# Allegro board BeagleV-FIRE_REV-A_230911.brd (continued)
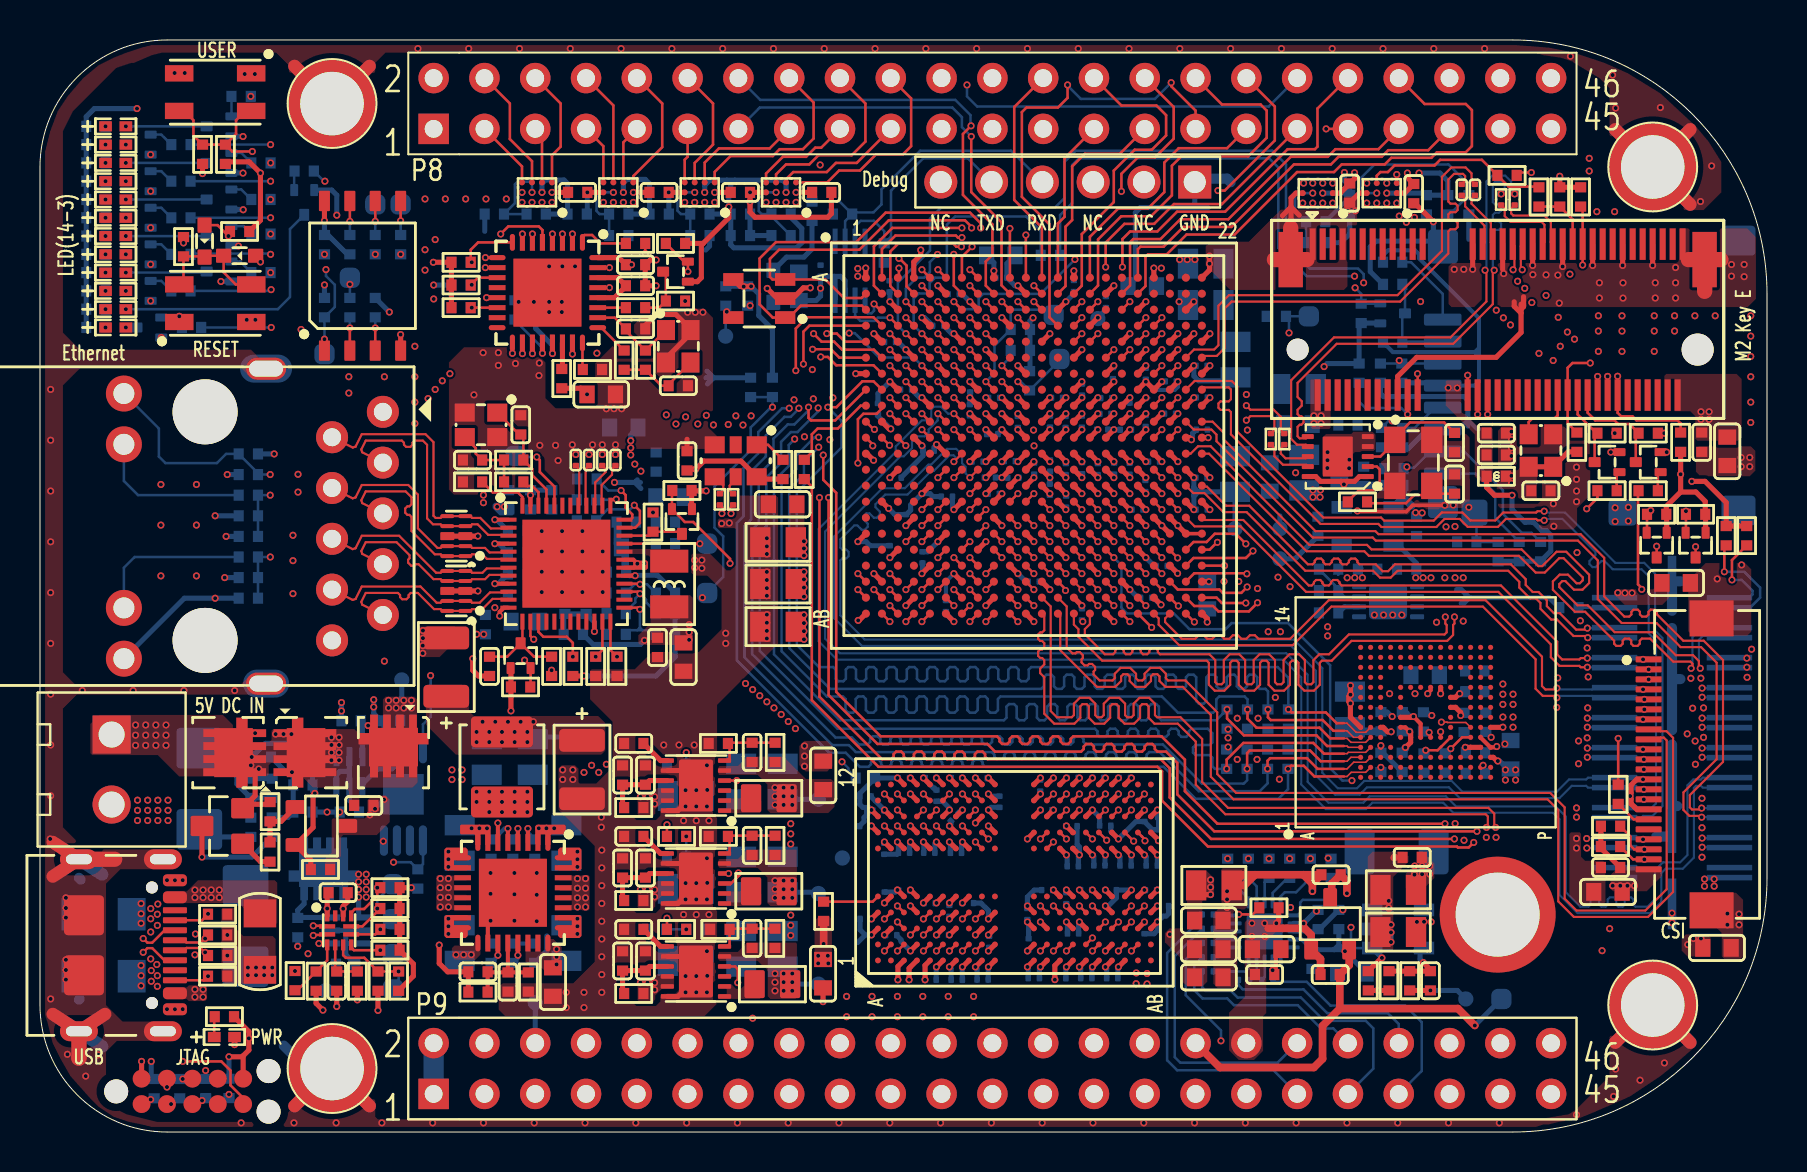
[diagram p0: board, top side]
## Routing (per net, layer and track width the routed paths; a pad name or vN(x,y) marks a point on that pad's centre or on a via; arc(x,y) is an arc through that point) (continued)
  BOTTOM w0.127: v1(32.32,10.13) R100.2
N8667551: length 1.6
  TOP w0.254: U20.7 31.03,9.28 C217.1
N8671682: length 3.5
  TOP w0.254: R144.2 29.13,11.65 C202.1 C201.1 30.48,12.93 U18.9
N8671690: length 3.5
  TOP w0.127: U18.6 34.37,13.93 34.48,14.04 34.48,14.78 34.52,14.82 ; 34.52,14.82 34.44,14.82 R146.1 ; 34.52,14.82 C27.2 R145.2
N8671822: length 4.8
  TOP w0.127: U18.4 v1(34.43,12.93)
  L10_SIG3 w0.102: v1(32.32,14.78) 32.32,13.68 33.07,12.93 v1(34.43,12.93)
  BOTTOM w0.127: v1(32.32,14.78) R101.2
N8671906: length 1.6
  TOP w0.254: C218.1 31.03,13.93 U18.7
N8673050: length 3.5
  TOP w0.254: R147.2 29.13,16.3 C224.1 C223.1 30.48,17.58 U19.9
N8673058: length 3.5
  TOP w0.127: U19.6 34.37,18.58 34.48,18.68 34.48,19.43 34.52,19.47 ; R148.2 C220.2 34.52,19.47 ; R149.1 34.44,19.47 34.52,19.47
N8673274: length 1.6
  TOP w0.254: C225.1 31.03,18.58 U19.7
N8756795: length 6
  TOP w0.127: SW1.2 7.18,42.6 D5.2 8.19,43.79 D15.2 8.3,43.82 D16.2 9.18,42.99 9.78,42.39 SW1.4
N8756879: length 15.7
  BOTTOM w0.127: U21.2 40.26,45.55 D18.2 ; D18.2 40.7,45.99 41.68,45.99 42.08,46.39 42.08,47.14 44.01,49.07 48.56,49.07 J6.4 ; D18.2 39.99,46.53 R255.2
N8756917: length 12.1
  BOTTOM w0.127: J6.5 46.4,48.69 44.17,48.69 42.56,47.08 42.56,44.78 D19.2 42.22,45.05 41.7,45.57 41.04,45.57 40.76,45.28 U21.3
N8759792: length 1
  TOP w0.127: Q6.1 78.84,32.86 R94.2
N8759844: length 1
  TOP w0.127: R95.2 80.9,32.86 Q7.1
N9130688: length 2.6
  BOTTOM w0.127: R107.2 64.92,27.18 R153.1 65.23,26.77 U17.7
N9171751: length 1.2
  BOTTOM w0.254: U17.6 65.23,26.27 C270.1
N9238698: length 10.5
  TOP w0.127: Q19.2 80.36,29.98 R154.2 80.36,30.93 80.52,31.08 v1(80.55,31.08) ; J9.58 v1(77.89,37.78)
  L10_SIG3 w0.102: v1(80.55,31.08) 81.15,31.69 81.15,33.1 77.89,36.36 v1(77.89,37.78)
N9311526: length 2
  TOP w0.127: U22.5 34.63,40.73 v1(34.34,41.02)
  BOTTOM w0.127: R63.2 34.29,41.07 v1(34.34,41.02) 34.29,40.97 TP15.1
N9370303: length 1
  TOP w0.127: R15.2 8.71,5.74 LED1.1
N9516908: length 4.2
  BOTTOM w0.127: R156.2 R274.1 23.75,46.45 23.75,47.4 23.88,47.52 24.49,47.52 24.6,47.41 v1(24.6,46.99)
N9532681: length 6
  BOTTOM w0.127: R165.2 72.77,30.7 72.77,31.94 71.78,32.93 J2.8
N9532886: length 4
  BOTTOM w0.127: J2.1 70.14,41.91 68.56,43.5 R167.2
N9600567: length 1.8
  BOTTOM w0.127: J8.4 R171.1
N9662314: length 2.8
  TOP w0.127: U28.48 24.12,31.76 23.9,31.98 22.65,31.98 R175.1
N9662960: length 3.9
  TOP w0.127: v1(24.84,33.76) 24.99,33.6 24.99,33.01 25.72,32.28 U28.44
  BOTTOM w0.127: TP9.1 23.85,33.76 v1(24.84,33.76)
N9693763: length 4.1
  TOP w0.127: U28.33 v1(32.99,29.42)
  BOTTOM w0.127: v1(32.99,29.42) 33,29.43 TP16.1
N9878694: length 8
  BOTTOM w0.127: J4.13 4.2,28.22 4.73,28.75 R232.2
N9878723: length 7.9
  BOTTOM w0.127: J4.12 4.2,32.56 4.9,31.85 R233.2
N10097642: length 2.7
  TOP w0.127: Q28.3 31.3,42.89 R212.2 30.96,41.22 R214.1
N10116085: length 3.4
  BOTTOM w0.127: R275.1 R244.2 27.98,45.91 27.83,46.06 27.83,46.78 28.04,46.99 v1(28.67,46.99)
N10117897: length 3.4
  BOTTOM w0.127: R278.1 R245.2 32.05,45.91 31.88,46.08 31.88,46.76 32.11,46.99 v1(32.74,46.99)
N10118713: length 3.5
  BOTTOM w0.127: v1(63.64,46.95) 62.89,46.95 62.76,46.83 62.76,46.07 R246.1 R279.1
N10323308: length 3.8
  BOTTOM w0.127: v1(36.81,46.99) 36.22,46.99 35.94,46.71 35.94,46.05 36.09,45.91 R247.1 36.58,45.8 R276.1
N10325048: length 9.6
  BOTTOM w0.127: v1(66.84,46.95) 66.1,46.95 66,47.05 66,47.66 66.73,48.39 70.43,48.39 71.45,47.37 R277.1 70.48,45.88 R248.1
N10444145: length 3.6
  TOP w0.254: v1(69.17,8.47) 69.53,8.12 C311.2 R251.2 R252.1
  BOTTOM w0.254: U36.5 69.01,9.2 69.01,8.64 v1(69.17,8.47)
N10515706: length 57
  TOP w0.076: v1(70.08,20.5) 70.36,20.5 70.38,20.48 71.3,20.48 U3.M6
  TOP w0.127: R254.2 38.6,32.27 38.6,21.6 41.93,18.26 55.88,18.26 56.11,18.03 56.11,16.57 58.4,14.27 70.86,14.27 70.9,14.23 71.44,14.23 v1(71.69,14.48)
  L10_SIG3 w0.102: v1(71.69,14.48) 71.69,14.66 71.48,14.88 71.48,16.21 70.1,17.58 70.1,19.41 70.41,19.71 70.41,20.38 70.29,20.5 v1(70.08,20.5)
N10544834: length 3.8
  BOTTOM w0.254: D17.2 37.33,43.75 38.2,43.75 38.61,44.16 R255.1
N10555114: length 97.5
  TOP w0.127: v1(74.57,47.98) 73.99,47.98 R263.2
  L3_SIG1 w0.102: P9.9 31.3,3.36 55.93,3.36 56.42,3.84 56.42,5.36 57.23,6.17 74.49,6.17 v1(78.49,10.17)
  L10_SIG3 w0.102: v1(74.57,47.98) 76.2,46.36 76.2,45.87 78.72,43.35 78.72,38.7 79.39,38.03 79.39,37.61 83.12,33.88 83.12,28.89 82.31,28.08 82.31,26.64 80.95,25.29 80.95,11.77 79.62,10.43 78.76,10.43 v1(78.49,10.17)
N10796072: length 5.4
  TOP w0.127: C321.1 70.21,35.48 68.5,35.48 67.75,34.73 X3.1 67.75,34.5 67.03,33.78 U38.3
N10796077: length 5.1
  TOP w0.127: R264.1 66.35,31.5 66.35,31.49 66.39,31.45 68.31,31.45 68.71,31.85 69.39,31.85 69.6,32.06 X3.3 69.99,31.92 C322.1
N10796544: length 6
  TOP w0.254: 65.35,32.54 65.74,32.54 65.98,32.78 U38.1 ; 65.35,32.54 65.05,32.54 ; 65.35,32.54 v1(65.2,32.38) 65.05,32.54 ; 65.05,32.54 64.03,32.54 63.79,32.78 U38.10
  BOTTOM w0.381: FB4.2 66.22,32.33 C323.1 65.2,32.31 C324.1
N10797068: length 3.4
  TOP w0.127: R264.2 65.4,31.54 65.95,32.09 66.69,32.09 66.99,32.4 66.99,33.14 66.85,33.28 U38.2
N11055587: length 1
  BOTTOM w0.127: R266.1 61.24,7.74 U11.3
N11055591: length 1.1
  BOTTOM w0.127: R267.1 60.84,7.96 U11.4
N11055595: length 2.2
  BOTTOM w0.127: U11.5 60.44,8.19 60.28,8.03 58.68,8.03 R268.1
N11055599: length 1.3
  BOTTOM w0.127: R269.1 58.93,8.74 59.42,9.23 U11.6
N11055603: length 1.2
  BOTTOM w0.127: R270.1 58.85,9.63 U11.7
N11055607: length 1.2
  BOTTOM w0.127: U11.8 58.81,10.03 R271.1
N11055611: length 1.3
  BOTTOM w0.127: R272.1 59.12,10.43 U11.9
N11055643: length 1.2
  TOP w0.127: R273.1 60.65,10.88 v1(59.94,10.88)
N11068846: length 2.5
  TOP w0.254: Q1.4 v1(16.41,20.33)
  BOTTOM w0.254: 16.12,20.49 16.28,20.33 v1(16.41,20.33) ; 16.12,20.49 R141.1 ; 16.12,20.49 Q18.3
N11068850: length 3.2
  BOTTOM w0.254: Q2.3 12.91,10.73 R71.1 12.89,11.09 13.21,11.41 Q17.4
N11068926: length 4.3
  BOTTOM w0.254: Q18.6 14.82,17.86 15,18.04 15.45,18.04 15.47,18.02 ; 15.47,18.02 Q18.2 ; 15.47,18.02 Q18.5 15.47,16.59 15.95,16.11 R140.1
N11068938: length 4.1
  BOTTOM w0.254: Q2.5 15.29,10.08 ; 15.29,10.08 15.29,9.42 ; 15.29,10.08 Q2.2 ; 15.29,9.42 15.29,9.43 Q2.6 ; 15.29,9.42 15.29,8.88 R1.1
N11074894: length 4.6
  BOTTOM w0.254: R282.2 12.39,15.73 R283.1 R226.2 12.66,17.93 v1(12.6,18) 12.31,18 C325.2
N11075006: length 5.5
  TOP w0.254: v1(8.1,13.75) Q30.3
  BOTTOM w0.254: v1(8.1,13.75) 10.6,13.75 R282.1
N11075022: length 6.4
  TOP w0.254: R155.1 13.54,13.59 U39.2 13.66,15.23 13.66,16.85 v1(13.74,16.93)
  BOTTOM w0.254: R280.2 R226.1 13.63,17.05 v1(13.74,16.93)
N11075026: length 2.6
  TOP w0.254: U39.1 12.06,15.53 R281.2 R227.1
N11075086: length 1.7
  TOP w0.254: R227.2 11.03,13.52 Q30.1
N11143135: length 6.3
  BOTTOM w0.254: R284.2 9.85,17.4 9.85,19.69 10.1,19.95 v1(10.76,19.95) ; R284.2 C328.2 ; R284.2 R285.1

## Copper pours and planes (outline as drawn; the poured copper is in the pictures)
AGND on TOP: 61.32,9.52 62.05,10.26 62.05,10.59 62,10.64 60.4,10.64 60.25,10.49 60.25,6.76 59.46,5.97 59.46,4.09 59.94,3.61 60.71,3.61 61.16,4.06 61.16,5.79 61.32,5.94
AGND on BOTTOM: 63.22,8.41 62.99,8.64 62.99,9.29 62.95,9.33 62.28,9.33 62.05,9.57 62.05,9.98 61.9,9.98 61.47,10.41 61.39,10.34 60.76,10.34 60.76,9.55 60.68,9.47 61.01,9.47 61.14,9.34 61.48,9.34 61.93,8.9 61.93,8.08 62.13,7.87 63.63,7.87 64.02,7.48 65.13,7.48 65.23,7.59 65.26,7.59 65.28,7.61 65.28,7.82 64.69,8.41
AGND on L11_GND5: 68.58,1.14 59.44,1.14 59.13,1.45 59.13,2.54 58.83,2.84 56.78,2.84 56.03,3.58 56.03,5.53 55.67,5.9 55.67,9.45 57.2,10.99 57.2,11.48 57.41,11.68 58.91,11.68 59.02,11.56 59.02,11.17 59.5,10.69 62.01,10.69 62.15,10.56 62.15,9.77 62.45,9.47 65.11,9.47 65.56,9.01 65.56,6.87 65.82,6.61 68.63,6.61 69.35,5.88 69.35,1.92
AVDD3V3 on BOTTOM: 23.57,27.13 22.43,27.13 22,26.7 22,25.73 22.12,25.6 23.09,25.6 23.42,25.27 23.65,25.5 23.65,27.05
AVDD3V3 on L5_SIG2: 22.61,30.91 23.6,30.91 23.83,30.68 23.83,25.73 23.57,25.48 22.68,25.48 22.45,25.7 22.45,26.39 23.22,27.15 23.22,29.59 22.5,30.3 22.5,30.81
AVDD10 on BOTTOM: 22.78,31.83 25.83,31.83 25.88,31.88 25.88,32.74 25.68,32.94 22.25,32.94 21.95,32.64 21.95,31.32 22,31.27 22.23,31.27
AVDD10 on L3_SIG1: 22.2,32.51 21.59,32.51 21.41,32.33 21.41,29.59 21.92,29.08 21.92,27.25 22.12,27.05 22.83,27.05 23.04,27.25 23.04,29.67 22.43,30.28 22.43,32.28
GND on TOP (solid shape): 21.39,14.12 21.39,13.59 20.73,13.59 20.7,13.56 20.7,13.36 20.73,13.34 21.39,13.34 21.39,13.11 21.36,13.08 20.29,13.08 20.22,13.16 20.22,14.12 20.32,14.22 21.29,14.22
GND on TOP (solid shape): 21.39,10.82 21.39,10.59 20.73,10.59 20.7,10.57 20.7,10.36 20.73,10.34 21.39,10.34 21.39,9.8 21.29,9.7 20.32,9.7 20.22,9.8 20.22,10.77 20.29,10.85 21.36,10.85
GND on TOP (solid shape): 27.08,14.12 27.08,13.16 27,13.08 25.93,13.08 25.91,13.11 25.91,13.34 26.57,13.34 26.59,13.36 26.59,13.56 26.57,13.59 25.91,13.59 25.91,14.12 26.01,14.22 26.97,14.22
GND on TOP (solid shape): 27.08,10.77 27.08,9.8 26.97,9.7 26.01,9.7 25.91,9.8 25.91,10.34 26.57,10.34 26.59,10.36 26.59,10.57 26.57,10.59 25.91,10.59 25.91,10.82 25.93,10.85 27,10.85
GND on TOP: 65.57,34.91 64.32,34.91 64.13,34.72 64.13,32.9 64.23,32.8 65.58,32.8 65.63,32.85 65.63,33.89 65.75,34 66.63,34 66.78,34.15 66.78,34.88 66.64,35.02 65.68,35.02
GND on TOP: 65.2,42.11 65.38,42.29 65.38,44.91 65.81,45.34 65.81,45.34 65.86,45.39 65.86,46.69 65.76,46.79 65.23,46.79 65.18,46.74 65.18,46.25 65.05,46.13 62.05,46.13 60.45,44.53 58.52,44.53 58.29,44.3 58.29,43.33 59.51,42.11
GND on TOP: 81.81,43.46 81.99,43.64 81.99,45.14 82.04,45.19 85.37,45.19 85.8,44.75 85.8,41.66 85.39,41.25 70.59,41.25 70.44,41.4 70.44,43.28 70.61,43.46
GND on TOP: 66.4,9.14 66.4,13.77 66.65,14.02 68.2,14.02 68.43,13.79 68.43,13.51 67.67,12.75 67.67,9.14 67.54,9.02 66.52,9.02
GND on TOP: 36.8,31.83 34.98,31.83 34.8,31.65 34.8,30.76 34.73,30.69 33.97,30.69 33.9,30.62 33.9,30.26 33.96,30.2 34.73,30.2 34.8,30.13 34.8,28.35 34.53,28.09 34.34,28.09 33.5,28.92 32.64,28.92 32.51,28.8 32.51,28.02 32.72,27.82 33.37,27.82 34.08,27.11 34.08,25.14 32.94,24 30.61,24 29.74,23.14 27.58,23.14 27.51,23.06 27.51,21.64 28.63,20.52 28.63,18.24 27.81,17.42 27,17.42 26.92,17.5 26.92,18.16 26.75,18.34 26.09,18.34 25.93,18.19 25.93,16.1 27.74,14.3 27.74,8.51 26.67,7.44 23.14,7.44 22.94,7.24 22.94,6.12 23.27,5.79 33.22,5.79 33.86,6.43 33.86,21.36 36.91,24.41 36.91,31.72
GND on TOP: 78.16,13.56 77.27,13.56 77.06,13.77 77.06,14.91 76.99,14.99 76.56,14.99 76.48,14.91 76.48,11.79 76.94,11.33 78.11,11.33 78.28,11.51 78.28,13.44
GND on TOP: 82.96,34.29 85.55,34.29 85.78,34.06 85.78,33.07 85.5,32.79 83.03,32.79 82.8,33.02 82.8,34.09 82.88,34.16 82.88,34.21
GND on TOP: 38.23,19.56 39.37,19.56 39.62,19.3 39.62,18.29 39.37,18.03 38.23,18.03 37.97,18.29 37.97,19.3
GND on TOP: 20.71,25.28 18.98,25.28 18.92,25.21 18.92,24.2 18.92,24.2 18.92,23.93 19.1,23.75 19.98,23.75 20.85,24.62 20.85,25.14
GND on TOP: outline of 107 points within 65.95,30.89 71.5,35.24
GND on TOP: 30.51,41.17 33.2,41.17 33.66,40.72 33.66,35 34.01,34.65 34.01,34.24 33.86,34.09 33.76,34.09 33.68,34.16 29.08,34.16 29.08,32.38 28.58,31.88 20.7,31.88 20.45,32.13 20.45,38.48 21.21,39.24 24.51,39.24 25.27,38.48 25.27,36.7 25.78,36.2 27.51,36.2 27.76,36.45 27.76,38.43
GND on TOP: 83.29,28.45 85.27,28.45 85.57,28.14 85.57,25.02 85.37,24.82 82.65,24.82 82.42,25.04 82.42,27.58
GND on TOP: 9.07,11.15 9.07,7.61 9.26,7.42 11.79,7.42 11.79,9.65 11.63,9.8 10.16,9.8 9.8,10.15 9.8,11.17 9.7,11.27 9.19,11.27
GND on TOP: 77.04,35.28 77.52,34.8 77.52,31.85 76.86,31.19 76.86,30.33 76.66,30.12 75.08,30.12 74.96,30.25 74.96,31.19 73.04,31.19 72.91,31.32 72.91,35.07 73.12,35.28
GND on TOP: 83.59,11.96 84.81,11.96 85.17,11.61 85.17,8.79 85.04,8.66 84.23,8.66 84.1,8.79 84.1,9.96 83.74,10.31 83.74,11.81
GND on TOP: 16.37,16.59 16.37,15.82 16.24,15.68 14.65,15.68 14.56,15.59 14.59,15.57 14.59,13.96 14.26,13.64 14.26,12.92 14.32,12.86 14.62,12.86 14.76,13 14.76,13.51 15.05,13.79 15.05,14.74 15.16,14.85 16.84,14.85 17.49,15.5 17.49,16.63 17.29,16.83 16.61,16.83
GND on TOP: 59.66,7.21 58.88,7.21 58.67,7.42 58.67,10.91 59.08,11.32 59.08,13.13 59.13,13.18 60.22,13.18 60.4,13 60.4,11.3 59.87,10.77 59.87,7.42
GND on BOTTOM: 17.34,17.43 16.37,16.46 16.37,15.84 16.52,15.7 16.7,15.7 16.86,15.86 17.59,15.86 18.76,17.04 18.37,17.43
GND on BOTTOM: 85.78,31.09 85.78,33.76 85.55,33.99 84.38,33.99 84.1,33.71 84.1,31.14 84.51,30.73 85.42,30.73
GND on BOTTOM: 66.09,9.86 66.06,9.88 66.06,10.46 66.09,10.49 67.17,10.49 67.28,10.6 67.28,11.67 67.38,11.76 67.64,11.76 67.74,11.66 67.74,9.33 67.69,9.29 67.46,9.29 67.38,9.37 67.38,9.72 67.24,9.86
GND on BOTTOM: 28.83,24.77 28.83,28.27 28.45,28.65 28.45,29.72 28.09,30.07 27.56,30.07 27.38,30.25 27.38,32.92 27.15,33.15 26.44,33.15 26.14,32.84 26.14,31.78 25.93,31.57 24.21,31.57 23.98,31.34 23.98,30.84 23.98,24.74 24.21,24.51 28.58,24.51
GND on BOTTOM: 83.29,13.64 83.08,13.44 80.14,13.44 79.96,13.61 79.96,28.65 80.11,28.8 83.11,28.8 83.29,28.63
GND on BOTTOM: 69.55,45.14 71.83,45.14 72.06,44.91 72.06,42.65 71.86,42.44 70.51,42.44 69.44,43.51 69.44,45.03
GND on BOTTOM: 41.22,16.69 38,19.91 19.91,19.91 19.64,19.64 19.64,13.74 19.47,13.57 19.47,11.79 19.18,11.5 19.18,5.97 19.56,5.59 40.51,5.59 41.22,6.3
GND on BOTTOM: 2.94,17.34 5.83,17.34 7.04,16.14 8.3,16.14 8.71,15.72 8.71,14.54 8.11,14.54 7.71,14.15 7.27,14.15 6.58,14.85 2.98,14.85 2.48,15.35 2.48,16.88
GND on BOTTOM: 21.08,45.34 32.64,45.34 33.66,44.32 33.66,36.58 32.82,35.74 32.82,29.31 33.3,28.83 33.3,28.14 33.2,28.04 31.52,28.04 31.47,28.09 31.47,28.14 31.5,28.17 31.5,34.32 31.32,34.49 30.91,34.49 30.63,34.77 30.63,35.74 30.43,35.94 29.13,35.94 28.96,35.76 28.96,34.8 28.88,34.72 28.12,34.72 27.99,34.85 27.99,35.79 27.84,35.94 20.95,35.94 20.45,36.45 20.45,44.7
GND on BOTTOM: 3.92,11.67 3.92,7.2 4.06,7.06 5.01,7.06 6.08,6 14.65,6 15.01,6.36 15.01,8.48 14.96,8.53 14.09,8.53 13.19,9.44 13.19,9.94 13.13,9.99 12.07,9.99 11.48,10.58 7.9,10.58 6.78,11.7 3.95,11.7
GND on BOTTOM: 39.9,43.81 39.98,43.74 41.05,43.74 41.12,43.81 41.12,45.19 41.16,45.23 41.56,45.23 41.7,45.09 41.7,44.2 41.71,44.19 41.71,43.88 41.8,43.78 42.58,43.78 42.67,43.69 42.67,42.49 42.57,42.39 40.89,42.39 40.16,43.13 38.86,43.13 38.35,42.62 37.47,42.62 37.39,42.7 37.39,43.34 37.46,43.41 38.38,43.41 38.99,44.02 38.99,45.09 39.38,45.48 39.38,46.17 39.39,46.18 39.88,46.18 39.9,46.16
GND on BOTTOM: 60.78,38.91 60.6,39.09 58.62,39.09 58.39,39.32 58.39,45.87 58.04,46.23 57.15,46.23 56.87,46.51 56.87,48.51 57.18,48.82 61.16,48.82 61.9,48.08 61.9,38.68 62.89,37.69 62.89,34.77 63.2,34.47 64.59,34.47 65.68,35.56 66.22,35.56 66.4,35.38 66.4,34.65 66.56,34.48 67.75,34.48 68.71,35.43 73.56,35.43 73.89,35.1 73.89,33.68 73.58,33.38 72.22,33.38 72.15,33.3 72.15,33.16 72.49,32.82 72.49,31.88 72.44,31.83 71.07,31.83 70.92,31.67 70.92,30.2 71.35,29.77 71.35,24.89 71.04,24.59 63.93,24.59 63.6,24.92 63.6,27.36 63.73,27.48 64.26,27.48 64.41,27.33 64.41,25.55 64.49,25.48 66.37,25.48 66.47,25.58 66.47,28.52 65.89,29.11 65.89,29.62 65.68,29.82 64.47,29.82 64.16,29.51 63.65,29.51 63.6,29.57 63.6,30.05 63.68,30.12 64.01,30.12 64.16,30.28 64.44,30.28 64.77,30.61 65.66,30.61 65.86,30.81 65.86,31.65 65.76,31.75 64.72,31.75 64.49,31.98 64.49,32.49 64.19,32.79 59.06,32.79 58.7,32.44 58.27,32.44 58.19,32.51 58.19,36.98 58.27,37.06 60.58,37.06 60.78,37.26
GND on BOTTOM: 85.67,45.34 84.2,45.34 84.07,45.21 84.07,42.47 84.3,42.24 85.57,42.24 85.8,42.47 85.8,45.21
GND on BOTTOM: 72.03,17.78 72.03,19.28 72.24,19.48 72.75,19.48 72.9,19.63 72.9,20.55 72.72,20.73 66.65,20.73 66.07,21.31 64.97,21.31 64.74,21.54 64.74,22.5 64.94,22.69 67.04,22.69 67.64,23.29 68.66,23.29 68.91,23.04 68.91,22.43 69.75,21.59 71.83,21.59 72.01,21.77 72.01,23.22 72.11,23.32 72.67,23.32 74.26,21.73 74.26,19.32 74.14,19.2 73.13,19.2 72.69,18.77 72.69,17.78 72.62,17.7 72.11,17.7
GND on L2_GND1: 75.69,53.47 18.92,53.47 18.41,52.96 18.41,50.29 16.76,48.64 12.57,48.64 11.3,49.91 11.3,52.83 10.92,53.21 5.84,53.21 2.29,49.66 2.29,40.26 2.67,39.88 12.24,39.88 13.57,38.55 13.57,37.07 12.27,35.77 6.4,35.77 4.83,37.34 3.81,37.34 3.18,36.7 3.18,23.74 3.8,23.11 5.37,23.11 6.85,24.59 12.36,24.59 13.84,23.11 13.84,21.21 12.57,19.94 8,19.94 6.86,21.08 2.29,21.08 2.03,20.83 2.03,15.88 2.54,15.37 7.11,15.37 7.62,14.86 7.62,13.46 6.94,12.78 5.05,12.78 4.83,12.56 4.83,6.57 5.49,5.91 7.41,5.91 7.62,5.69 7.62,4.56 7.25,4.19 5.08,4.19 4.57,3.68 4.57,1.27 4.83,1.02 9.14,1.02 9.65,1.52 9.65,3.68 11.68,5.71 18.03,5.71 18.41,5.33 18.41,1.65 18.92,1.14 75.95,1.14 76.83,2.03 76.83,6.98 79.02,9.17 84.35,9.17 85.73,10.54 85.73,44.7 84.71,45.72 79.76,45.72 78.99,46.48 78.61,46.48 78.11,46.99 78.11,48.51 77.47,49.15 77.47,51.69
GND on L4_GND2, L6_GND3, L9_GND4: 75.69,53.47 18.92,53.47 18.41,52.96 18.41,50.29 16.76,48.64 12.57,48.64 11.3,49.91 11.3,52.83 10.92,53.21 5.84,53.21 2.29,49.66 2.29,40.26 2.67,39.88 12.24,39.88 13.57,38.55 13.57,37.07 12.27,35.77 6.4,35.77 4.83,37.34 3.81,37.34 3.18,36.7 3.18,23.74 3.8,23.11 5.37,23.11 6.85,24.59 12.36,24.59 13.84,23.11 13.84,21.21 12.57,19.94 8,19.94 6.86,21.08 2.29,21.08 2.03,20.83 2.03,15.88 2.54,15.37 7.11,15.37 7.62,14.86 7.62,13.46 7.24,13.08 5.21,13.08 4.83,12.7 4.83,7.24 5.84,6.22 7.37,6.22 7.62,5.97 7.62,5.08 6.73,4.19 5.08,4.19 4.57,3.68 4.57,1.27 4.83,1.02 9.14,1.02 9.65,1.52 9.65,3.68 11.68,5.71 18.03,5.71 18.41,5.33 18.41,1.65 18.92,1.14 75.95,1.14 76.83,2.03 76.83,6.98 79.02,9.17 84.35,9.17 85.73,10.54 85.73,44.7 84.71,45.72 79.76,45.72 78.99,46.48 78.61,46.48 78.11,46.99 78.11,48.51 77.47,49.15 77.47,51.69
GND on L11_GND5: 75.69,53.47 18.92,53.47 18.41,52.96 18.41,50.29 16.76,48.64 12.57,48.64 11.3,49.91 11.3,52.83 10.92,53.21 5.84,53.21 2.29,49.66 2.29,40 2.79,39.5 8.64,39.5 9.02,39.88 12.24,39.88 14.86,37.26 14.86,36.45 12.19,33.78 6.86,33.78 6.1,34.54 6.1,36.07 4.83,37.34 3.81,37.34 3.18,36.7 3.18,23.74 3.8,23.11 5.37,23.11 6.85,24.59 12.36,24.59 13.84,23.11 13.84,21.21 12.98,20.35 7.59,20.35 6.86,21.08 2.29,21.08 2.03,20.83 2.03,15.88 2.54,15.37 7.11,15.37 7.62,14.86 7.62,13.46 7.24,13.08 5.21,13.08 4.83,12.7 4.83,7.24 5.84,6.22 7.37,6.22 7.62,5.97 7.62,5.08 6.73,4.19 5.08,4.19 4.57,3.68 4.57,1.27 4.83,1.02 9.14,1.02 9.65,1.52 9.65,3.68 11.68,5.71 18.03,5.71 18.41,5.33 18.41,1.65 18.92,1.14 75.95,1.14 76.83,2.03 76.83,6.98 79.02,9.17 84.35,9.17 85.73,10.54 85.73,44.7 84.71,45.72 79.76,45.72 78.99,46.48 78.61,46.48 78.11,46.99 78.11,48.51 77.47,49.15 77.47,51.69
GND_EARTH on TOP: outline of 122 points within 0.25,0.25 84.07,54.36
GND_EARTH on BOTTOM: outline of 127 points within 0.25,0.25 84.07,54.36
GND_EARTH on L2_GND1: outline of 122 points within 0.25,0.25 84.07,54.36
GND_EARTH on L3_SIG1: outline of 122 points within 0.25,0.25 84.07,54.36
GND_EARTH on L4_GND2: outline of 122 points within 0.25,0.25 84.07,54.36
GND_EARTH on L5_SIG2: outline of 122 points within 0.25,0.25 84.07,54.36
GND_EARTH on L6_GND3: outline of 123 points within 0.25,0.25 84.07,54.36
GND_EARTH on L7_PWR1: outline of 122 points within 0.25,0.25 84.07,54.36
GND_EARTH on L8_PWR2: outline of 122 points within 0.25,0.25 84.07,54.36
GND_EARTH on L9_GND4: outline of 122 points within 0.25,0.25 84.07,54.36
GND_EARTH on L10_SIG3: outline of 122 points within 0.25,0.25 84.07,54.36
GND_EARTH on L11_GND5: outline of 122 points within 0.25,0.25 84.07,54.36
VCC_1V0 on TOP: 20.79,18.87 28.07,18.87 28.27,19.08 28.27,20.45 27.91,20.8 21.7,20.8 21.45,21.06 21.45,22.03 21.1,22.37 19.42,22.37 19.3,22.25 19.3,20.37
VCC_1V0 on BOTTOM: 21.77,20.8 25.22,20.8 25.4,20.62 25.4,19.33 25.22,19.15 21.79,19.15 21.59,19.35 21.59,20.62
VCC_1V0 on L7_PWR1: 54.56,32.54 51.23,32.54 50.42,33.35 49.5,33.35 47.02,35.84 47.02,38.66 45.77,39.9 36.04,39.9 34.37,38.23 34.37,21.36 33.3,20.29 29.13,20.29 27.69,18.85 22.63,18.85 21.97,19.51 21.97,37.87 22.28,38.18 26.14,38.18 26.84,38.87 26.84,44.29 27.51,44.96 59.49,44.96 60.66,43.79 60.66,38.61 59.92,37.87 54.33,37.87 53.92,37.46 53.92,36.2 54.69,35.43 54.69,32.66
VCC_1V1 on TOP: 33.97,17.86 35.89,17.86 36.37,17.37 36.37,16.1 36.53,15.95 39.42,15.95 39.73,16.26 39.73,17.48 39.55,17.65 38.3,17.65 37.19,18.77 35.36,18.77 34.89,18.3 33.99,18.3 33.93,18.25 33.93,17.89
VCC_1V1 on TOP: 38.73,8.41 38.73,10.57 38.94,10.77 39.47,10.77 39.6,10.64 39.6,8.38 39.47,8.25 38.89,8.25
VCC_1V1 on TOP: 57.35,7.29 58.14,7.29 58.37,7.52 58.37,9.75 58.27,9.86 57.32,9.86 56.99,10.19 56.49,10.19 56.25,9.94 56.25,9.49 57.14,8.6 57.14,7.5
VCC_1V1 on BOTTOM: 34.59,17.14 35.28,17.14 35.53,17.4 37.8,17.4 37.9,17.3 37.9,16.18 37.85,16.13 34.87,16.13 34.59,16.41
VCC_1V1 on L7_PWR1: 36.09,28.07 36.25,28.22 38.79,28.22 39.37,28.8 39.37,31.34 40.97,32.94 44.27,32.94 47.5,29.72 49.83,29.72 50.01,29.54 50.01,23.42 56.52,16.92 56.52,11.89 58.32,10.08 58.32,7.51 58.15,7.34 39.62,7.34 38.38,8.59 38.38,13.79 36.09,16.08
VCC_1V8 on TOP: 57.35,10.36 57.35,12.5 57.92,13.07 58.33,13.07 58.71,12.69 58.71,11.79 58.62,11.7 58.25,11.7 58.12,11.56 58.12,10.41 57.94,10.24 57.48,10.24
VCC_1V8 on TOP: 33.99,13.21 35.89,13.21 36.37,12.73 36.37,11.46 36.53,11.3 37.77,11.3 37.85,11.38 37.85,14.07 37.8,14.12 35.36,14.12 34.89,13.65 33.97,13.65 33.93,13.61 33.93,13.26
VCC_1V8 on BOTTOM: 72.52,20.19 71.04,20.19 70.82,19.96 70.82,18.47 70.56,18.21 68.99,18.21 68.94,18.16 68.94,17.3 68.99,17.25 73.94,17.25 73.99,17.3 73.99,18.39 73.84,18.54 73.1,18.54 73,18.44 73,17.68 72.77,17.45 71.75,17.45 71.55,17.65 71.55,19.08 72.19,19.71 72.57,19.71 72.64,19.79 72.64,20.07
VCC_1V8 on BOTTOM: 34.59,12.5 35.28,12.5 35.53,12.75 37.8,12.75 37.9,12.65 37.9,11.53 37.85,11.48 34.87,11.48 34.59,11.76
VCC_1V8 on BOTTOM: 59.44,20.42 62.61,20.42 62.66,20.37 62.66,18.97 62.61,18.92 59.33,18.92 59.11,19.15 59.11,20.09
VCC_1V8 on L7_PWR1: 22.86,48.97 22.61,48.72 22.61,46.1 23.11,45.59 60.63,45.59 61.42,44.81 61.42,36.68 65.35,32.74 65.35,30.3 63.88,28.83 50.95,28.83 50.32,28.19 50.32,24.03 57.05,17.3 57.05,11.81 57.68,11.18 59.33,11.18 62.15,14 62.15,16.13 63.02,16.99 73.86,16.99 75.98,19.11 75.98,31.25 77.27,32.54 82.09,32.54 82.3,32.74 82.3,33.02 82.09,33.22 80.85,33.22 80.54,33.53 80.54,43.66 76.81,47.4 76.81,48.39 76.23,48.97
VCC_1V8 on L8_PWR2: 50.77,32.31 50.09,32.99 44.88,32.99 44.4,33.48 44.4,36.8 43.59,37.62 36.32,37.62 35.97,37.26 35.97,25.48 34.52,24.03 34.52,12.93 40.11,7.34 44.4,7.34 45.01,7.95 45.01,9.88 45.67,10.54 45.67,17.7 45.42,17.96 40.03,17.96 39.73,18.26 39.73,18.64 39.93,18.85 51.31,18.85 52.4,17.75 52.4,15.95 51.97,15.52 51.18,15.52 51.13,15.47 51.13,15.24 51.21,15.16 51.44,15.16 51.64,14.96 51.64,12.37 51.05,11.79 51.05,10.03 51.77,9.32 51.77,7.65 52.07,7.34 60.6,7.34 62.05,8.79 62.05,11.58 62.98,12.51 65.77,12.51 69.09,15.82 72.64,15.82 73.94,17.12 73.94,18.95 72.85,20.04 71.32,20.04 69.52,18.24 67.87,18.24 67.61,18.49 67.61,23.98 66.09,25.5 60.83,25.5 54.03,32.31
VCC_2V5 on TOP: 37.47,31.42 37.47,28.8 37.57,28.7 38.13,28.7 38.23,28.8 38.23,31.39 37.95,31.67 37.72,31.67
VCC_2V5 on BOTTOM: 61.59,32.44 63.73,32.44 64.72,31.45 65.38,31.45 65.38,30.91 64.36,30.91 64.19,30.73 64.19,30.53 61.67,30.53 61.21,30.99 61.21,32.05
VCC_2V5 on L7_PWR1: 44.25,33.73 40.41,33.73 38.66,31.98 38.66,28.78 38.51,28.63 36.02,28.63 35.28,29.36 35.28,38.63 36.22,39.57 45.57,39.57 46.74,38.4 46.74,35.69 49.42,33.01 50.33,33.01 51,32.33 54.89,32.33 55.07,32.51 55.07,34.04 54.91,34.19 53.34,34.19 52.69,34.84 52.69,35.24 52.76,35.31 53.01,35.31 53.75,34.57 54.97,34.57 55.07,34.67 55.07,35.64 54.25,36.45 54.25,37.19 54.43,37.36 59.82,37.36 64.19,32.99 64.19,30.02 63.25,29.08 50.93,29.08 49.99,30.02 47.96,30.02
VCC_3V3 on TOP: 33.99,8.56 35.89,8.56 36.37,8.08 36.37,6.81 36.53,6.65 37.77,6.65 37.85,6.73 37.85,9.42 37.8,9.47 35.36,9.47 34.89,9 33.97,9 33.93,8.97 33.93,8.61
VCC_3V3 on TOP: 64.03,37.64 64.03,36.07 64.06,36.04 64.21,36.04 64.24,36.07 64.24,37.64 64.54,37.64 64.54,35.23 64.47,35.15 63.63,35.15 63.53,35.26 63.53,37.59 63.58,37.64
VCC_3V3 on TOP: 72.85,33.1 72.85,31.75 72.92,31.67 74.8,31.67 74.85,31.72 74.85,33.27 74.8,33.32 74.8,33.38 74.65,33.53 74.19,33.53 74.17,33.5 74.17,33.38 73.89,33.1
VCC_3V3 on TOP: 78.97,13.28 81.03,13.28 81.1,13.21 81.1,12.8 80.34,12.04 78.66,12.04 78.54,12.17 78.54,12.85
VCC_3V3 on TOP: 81.23,36.09 81.23,37.82 81.33,37.91 84.83,37.91 85.09,37.66 85.09,34.72 84.94,34.57 82.88,34.57 82.78,34.67 82.78,35.79 82.52,36.04 81.74,36.04 81.74,37.64 81.71,37.67 81.56,37.67 81.53,37.64 81.53,36.04 81.28,36.04
VCC_3V3 on BOTTOM: 37.9,6.88 37.85,6.83 36.59,6.83 35.65,7.77 34.6,7.77 34.41,7.96 34.41,8.61 34.58,8.78 37.65,8.78 37.9,8.54
VCC_3V3 on BOTTOM: 69.7,28.42 69.7,26.21 69.62,26.14 68.58,26.14 68.53,26.19 68.53,26.39 69.16,26.39 69.19,26.42 69.19,26.62 69.16,26.64 68.53,26.64 68.53,26.9 69.14,26.9 69.19,26.95 69.19,27.1 69.14,27.15 68.53,27.15 68.53,28.45 68.61,28.52 69.6,28.52
VCC_3V3 on BOTTOM: 71.25,23.34 69.9,23.34 69.65,23.09 69.65,22.05 69.93,21.77 71.25,21.77 71.45,21.97 71.45,23.14
VCC_3V3 on BOTTOM: 67.54,31.55 68.99,31.55 69.19,31.34 69.19,30.56 69.1,30.47 68.62,30.47 68.53,30.56 68.53,30.81 68.43,30.91 67.39,30.91 67.31,30.99 67.34,31.01 67.34,31.45 67.44,31.45
VCC_3V3 on BOTTOM: 64.39,37.87 64.39,36.04 64.77,35.66 65.2,35.66 65.23,35.64 65.23,35.08 65.15,35 63.93,35 63.86,35.08 63.42,35.08 63.25,35.26 63.25,37.87 63.3,37.92 64.34,37.92
VCC_3V3 on BOTTOM: 79.78,12.85 79.86,12.78 79.86,12.34 79.6,12.09 78.05,12.09 77.6,12.55 77.6,12.8 77.65,12.85
VCC_3V3 on BOTTOM: 29.29,35.69 30.33,35.69 30.38,35.64 30.38,34.65 30.78,34.24 31.06,34.24 31.06,33.73 29.41,33.73 29.24,33.91 29.24,35.64
VCC_3V3 on BOTTOM: 56.29,43.35 56.29,42.26 56.43,42.12 57.92,42.12 58.01,42.03 58.01,40.6 57.89,40.48 56.86,40.48 55.42,41.91 55.42,43.33 55.52,43.43 56.2,43.43
VCC_3V3 on L8_PWR2: 18.62,1.96 18.62,5.21 17.32,6.5 12.55,6.5 10.24,4.19 9.04,4.19 8.53,4.7 8.53,14.53 7.72,15.34 7.72,18.64 8.76,19.69 12.75,19.69 18.01,24.94 18.01,39.09 16.84,40.26 5.08,40.26 4.14,41.2 4.14,51 4.78,51.64 11.86,51.64 11.94,51.56 11.94,49.07 12.87,48.15 19.72,48.15 24.82,53.24 75.34,53.24 77.22,51.36 77.22,46.61 79.98,43.84 82.85,43.84 84.58,42.11 84.58,14.45 80.29,10.16 79.38,10.16 70.64,1.42 19.15,1.42 ; 7 cut-outs
VCCA_1V0 on BOTTOM: 64.72,28.42 66.19,28.42 66.27,28.35 66.27,27.36 66.12,27.2 65.66,27.2 65.61,27.25 65.61,27.38 65.41,27.58 64.85,27.58 64.67,27.76 64.67,28.37
VCCA_1V0 on L8_PWR2: 61.59,38.56 62.64,37.52 62.64,30.23 63.58,29.29 65.94,29.29 66.4,28.83 66.4,26.7 65.68,25.98 60.99,25.98 55.35,31.62 55.35,37.62 56.29,38.56
VDD_5V on TOP: 17.97,19.53 16.34,19.53 15.73,20.15 13.68,20.15 13.2,19.66 13.2,17.69 13.66,17.22 15.28,17.22 15.46,17.05 15.46,16.21 15.61,16.05 15.86,16.05 15.96,16.15 15.96,17.04 16.14,17.22 18.63,17.22 18.9,17.49 18.9,18.6
VDD_5V on L10_SIG3: 19.15,9.19 19.86,8.48 24.51,8.48 25.78,7.21 25.78,1.47 25.45,1.14 24.03,1.14 23.7,1.47 23.7,4.67 23.11,5.26 16.99,5.26 13.74,8.51 13.74,19.86 13.94,20.07 18.14,20.07 19.15,19.05
EXT_VDD_5V on TOP: 2.97,20.86 9.14,20.86 9.65,20.36 9.65,18.13 9.3,17.78 6.96,17.78 5.89,18.85 2.61,18.85 2.52,18.94 2.52,20.41
EXT_VDD_5V on BOTTOM: 2.61,20.85 6.87,20.85 7.51,20.2 8.51,20.2 8.75,19.97 8.75,18.38 8.57,18.2 7.1,18.2 6.45,18.85 2.61,18.85 2.48,18.99 2.48,20.72
